# Altium PCB 75100_405_v4.0.PcbDoc (part 1 of 2)
Units mil, origin at the board's own origin, x right, y up, seen from the top; angles counter-clockwise.
Board outline 2985 x 1655 mil, 4 copper layers (Top Layer, Signal Layer 1, Signal Layer 2, Bottom Layer), stack 30.634 mil thick; 141 components, 93 nets, 422 pads, 408 vias.
Unrouted connection lines stored in the file: 2.
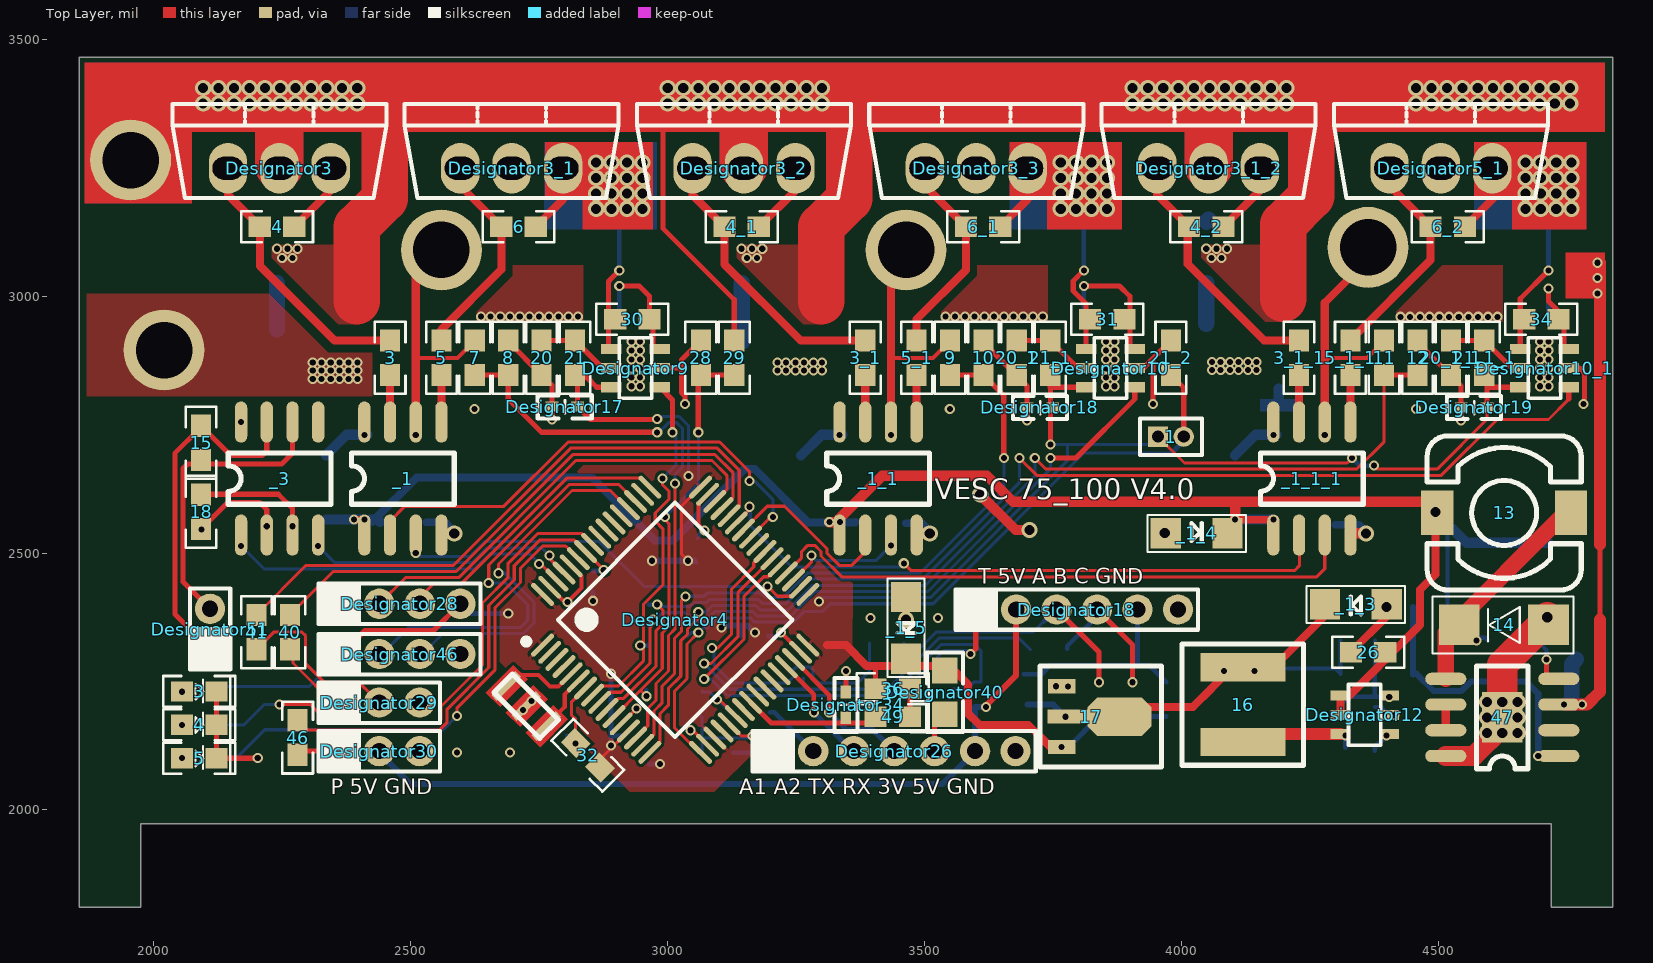
[diagram p0: Top Layer view]
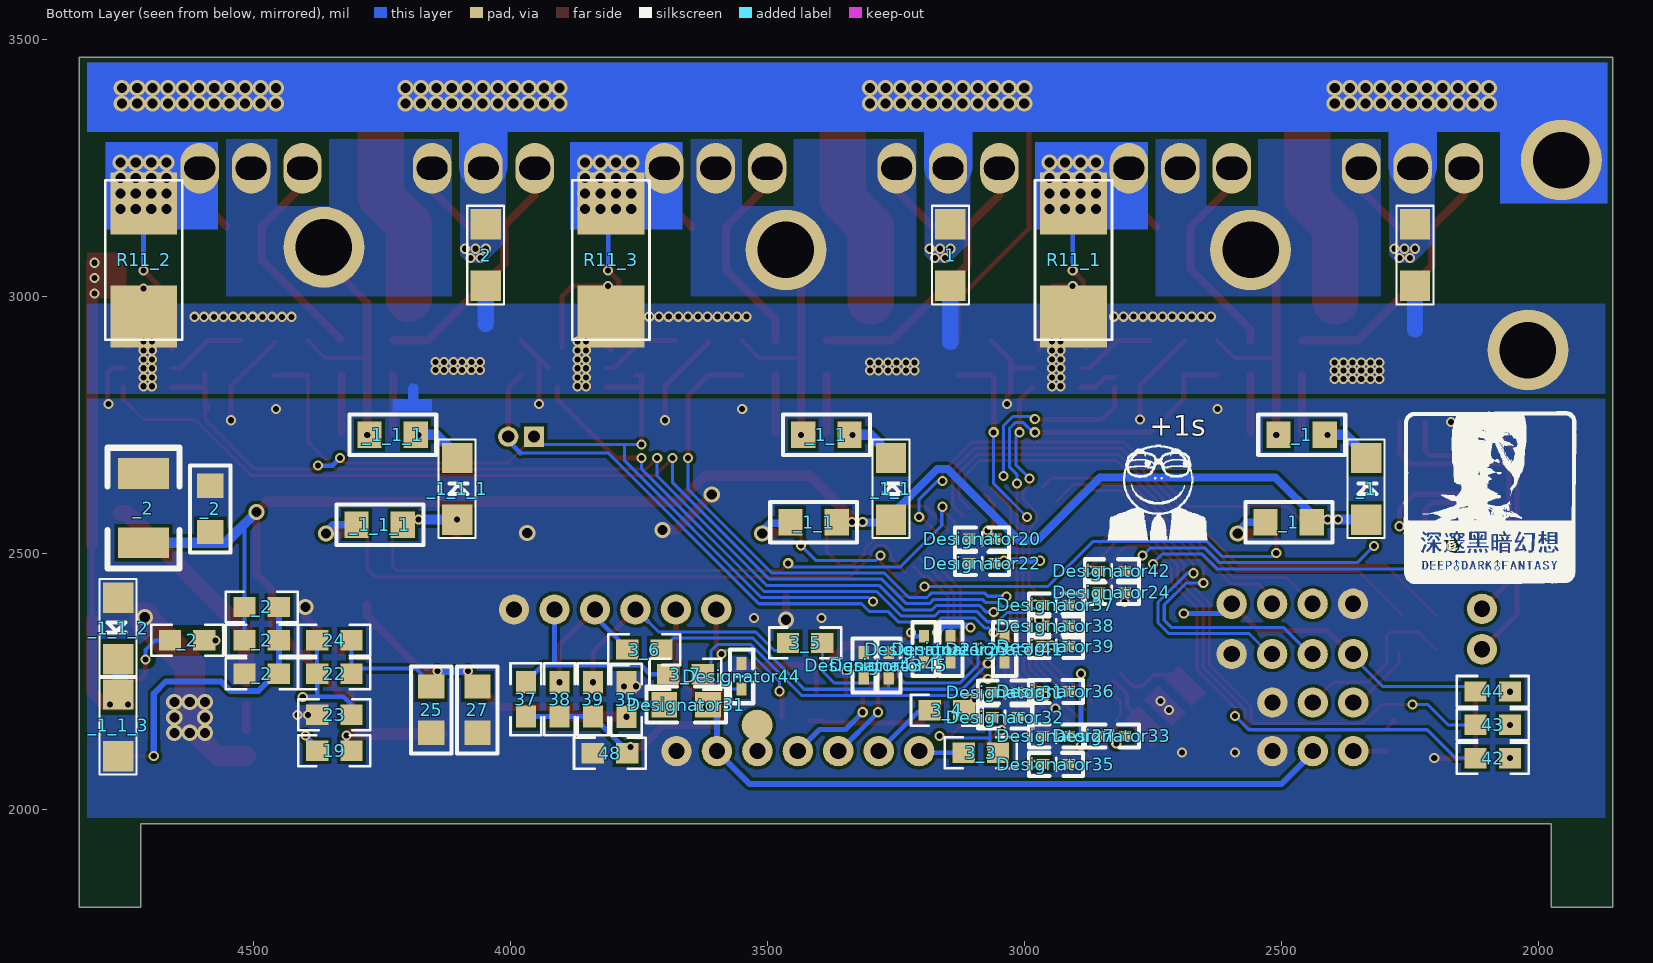
[diagram p1: Bottom Layer view, seen from below]
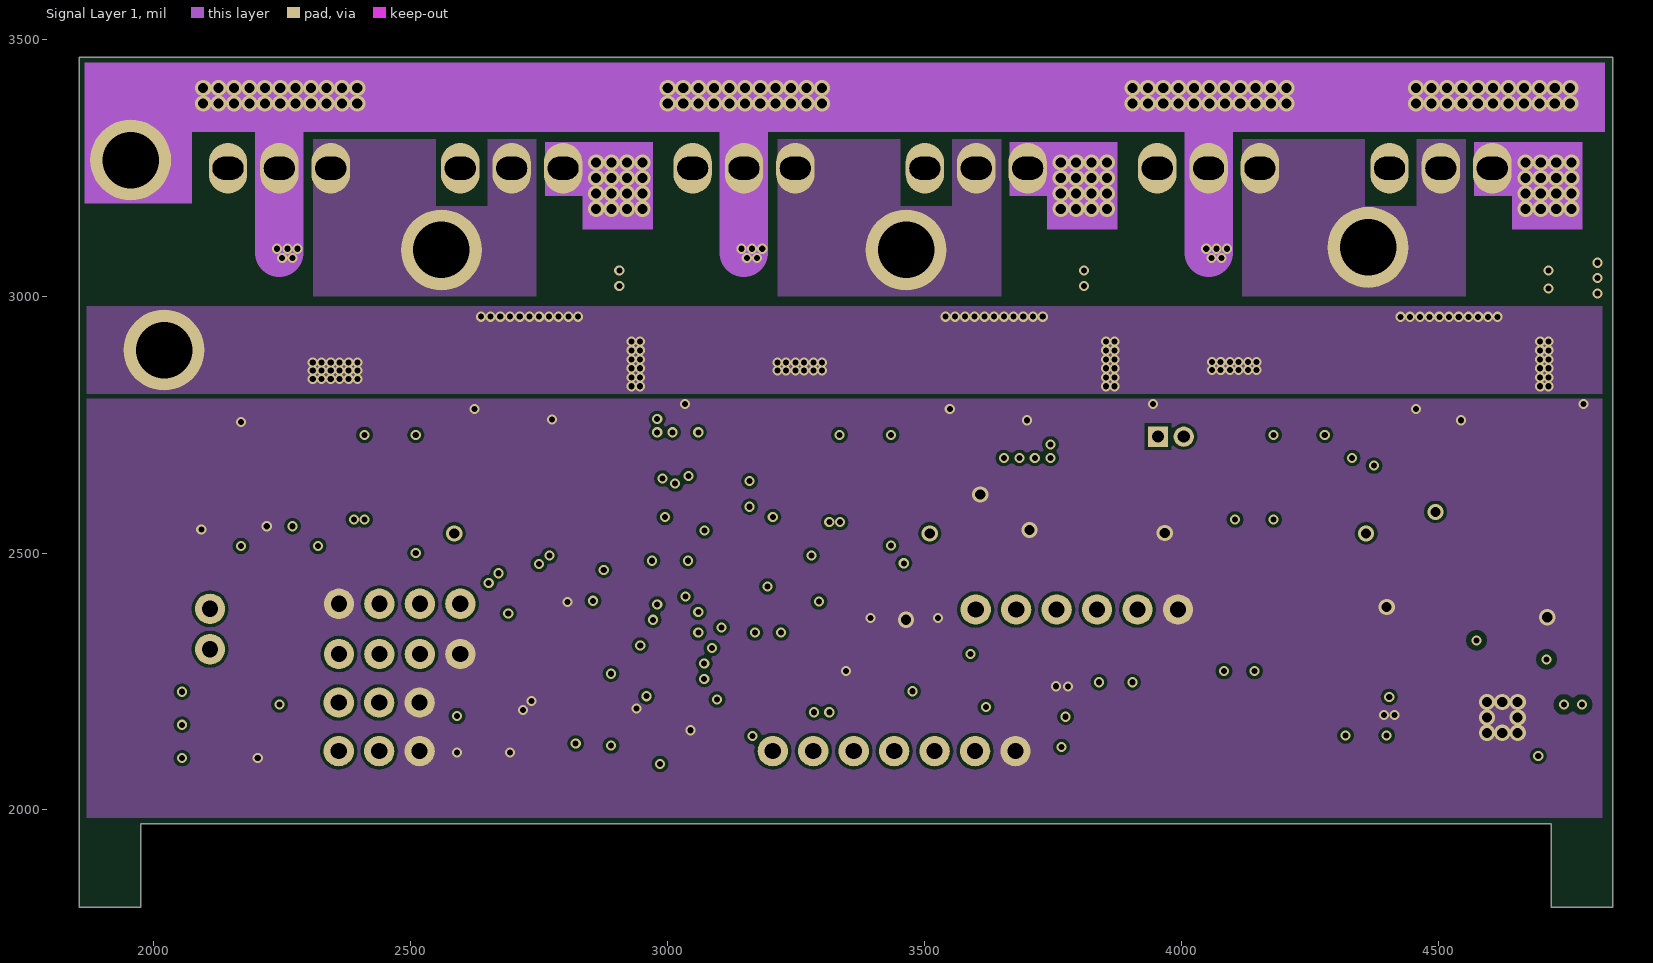
[diagram p2: Signal Layer 1]
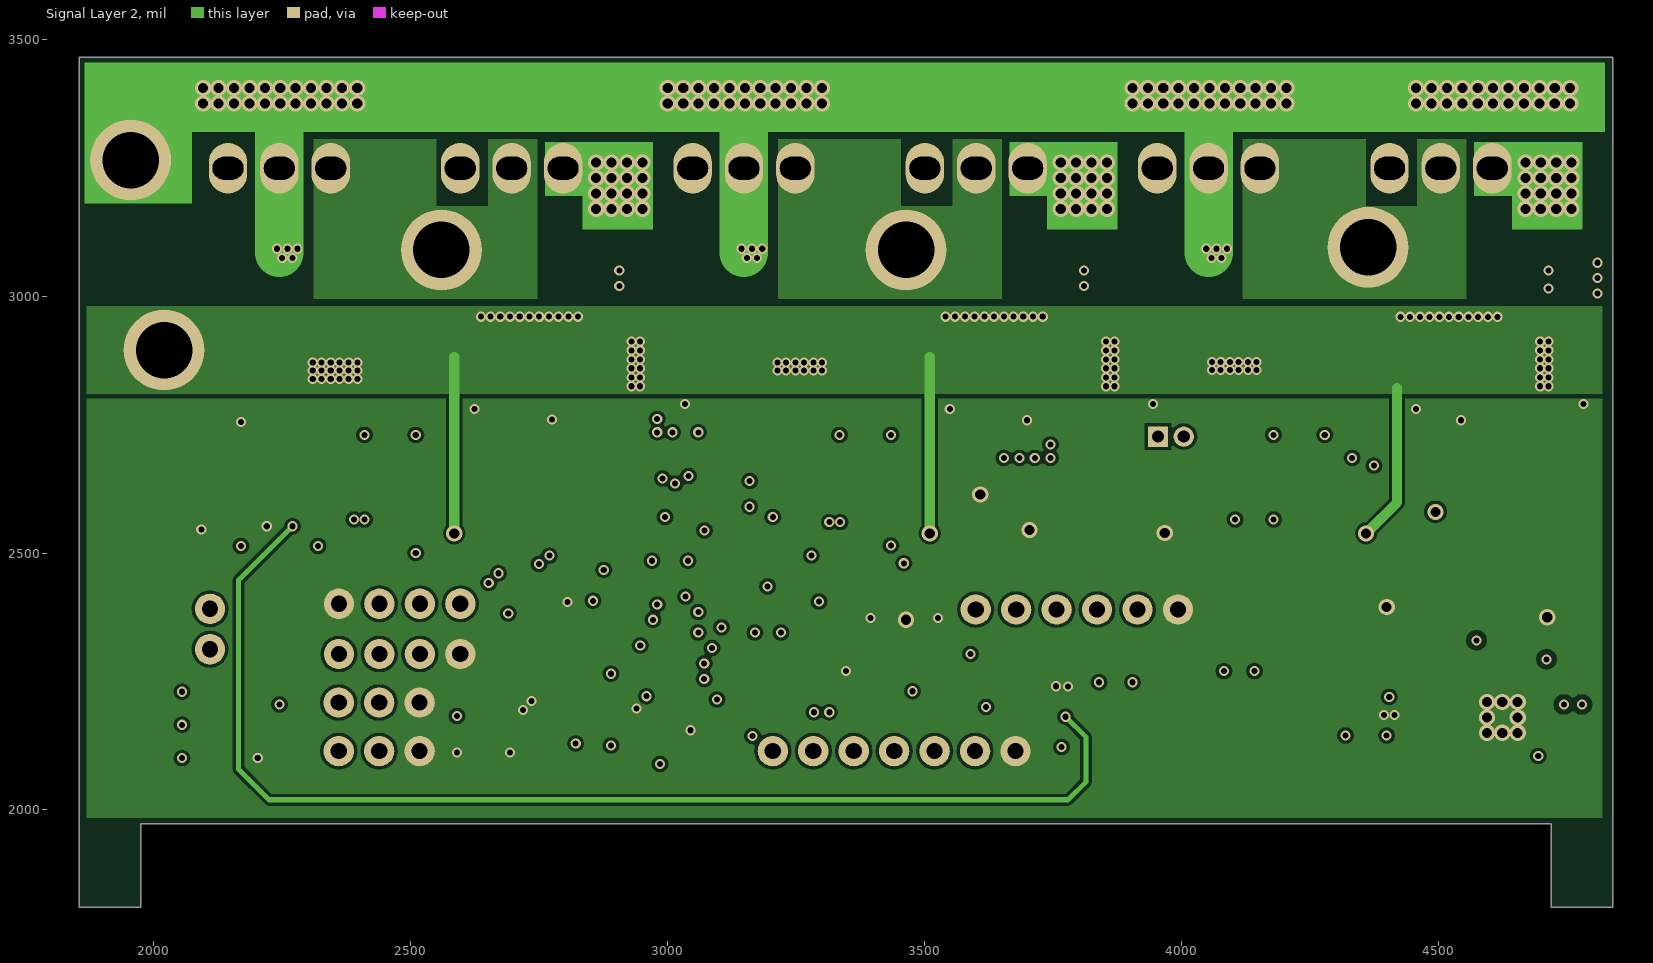
[diagram p3: Signal Layer 2]
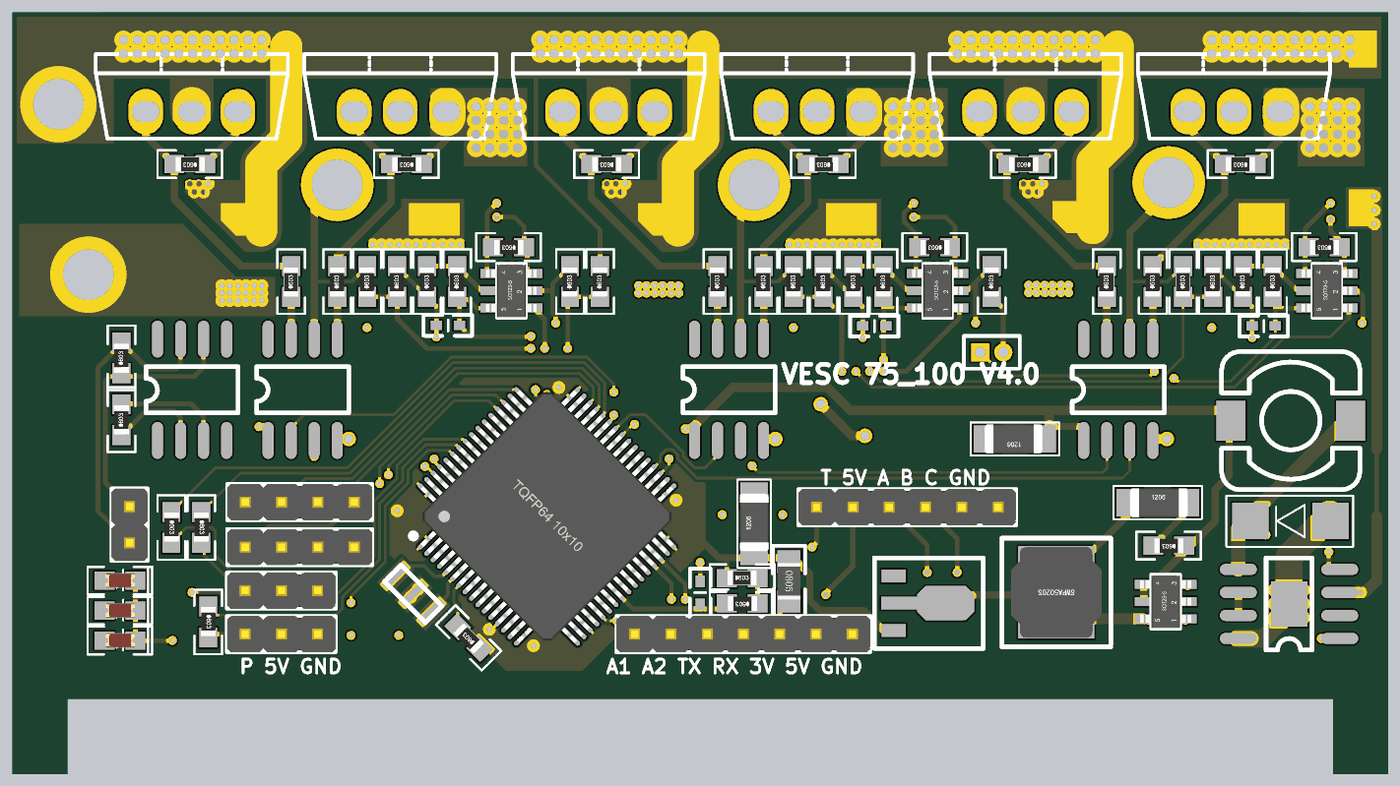
[diagram p5: 3D render of the assembled board from above, using the file's embedded part models]

## Layer stack, top to bottom
Top Solder: solder mask 0.4, Solder Resist, Dk 3.5
Top Layer: signal copper 1.4
Dielectric1: core 10, FR-4, Dk 4.2
Signal Layer 1: signal copper 1.417
Dielectric 3: prepreg 5, Dk 4.2
Signal Layer 2: signal copper 1.417
Dielectric 2: core 10, Dk 4.2
Bottom Layer: signal copper 1.4
Bottom Solder: solder mask 0.4, Solder Resist, Dk 3.5

## Board outline
1855,1810 1855,1968.46 1855,1968.5 1855,3464.57 2050,3464.57 2050,3465 4645,3465 4645,3464.57 4840,3464.57 4840,1810 4720,1810 4720,1973.46 1975,1973.46 1975,1810

## Design rules (kind name [scope] priority, off if disabled: settings)
Clearance Clearance_3 [InNet('bst1')] p1: gap=10 ignorepadtopadclearanceinfootprint=TRUE
Clearance Clearance_2 [InNet('sw1')] p2: gap=10 ignorepadtopadclearanceinfootprint=TRUE
Clearance Clearance_1 [InNet('vb')] p3: gap=10 ignorepadtopadclearanceinfootprint=TRUE
Clearance [All] p4: gap=6 ignorepadtopadclearanceinfootprint=TRUE except(0: Arc-Hole Track-Hole SMDPad-Hole THPad-Hole Via-Hole Fill-Hole Poly-Hole Region-Hole Text-Hole; 5: Arc-Text Track-Text SMDPad-Text THPad-Text Via-Text Fill-Text Poly-Text Region-Text Text-Text)
ComponentClearance [All] p1: gap=0 collisioncheckmode=3 verticalgap=100000 showdistances=FALSE
PolygonConnect PolygonConnect_1 [HasFootprint('TQFP64 10x10_L')] p1: connectstyle=Relief reliefconductorwidth=6 reliefentries=4 polygonreliefangle="90 Angle" airgapwidth=6
PolygonConnect [All vs InNetClass('All Nets')] p2: connectstyle=Direct reliefconductorwidth=10 reliefentries=4 polygonreliefangle="90 Angle" airgapwidth=10
RoutingVias [All] p1: holewidth=28 width=50 viastyle="Through Hole" minholewidth=28 minwidth=50 maxholewidth=28 maxwidth=50
SilkToSolderMaskClearance SilkscreenOverComponentPads [IsPad] p1: minsilkscreentomaskgap=10 clearancetoexposedcopper=TRUE
SolderMaskExpansion [All] p1: expansion=4
Width [All] p1: maxlimit=999 minlimit=6 preferedwidth=6 toplayer_maxwidth=984.25 bottomlayer_maxwidth=984.25 minimp=50.000000 maximp=50.000000 favimp=50.000000
28 further rules are at their usual default settings.

## Components (designator, comment, footprint, x,y, rotation, side; value= is the part's Value field where it differs from the comment)
1 "Comment" MHDR1X2 3955,2726.54 r0 top
1 "1N4148" 1206R 3144.41,3080 r180 bottom
2 "1N4148" 1206R 4048.82,3080 r180 bottom
3 "jb" 0603LED 2088.46,2230.61 r0 top
3 "jb" 0603R 2460,2880 r90 top
3_1 "jb" 0603R 3385,2880 r90 top
3_1_1 "jb" 0603R 4229.41,2880 r90 top
3_3 "jb" 0603R 3085,2111.31 r180 bottom
3_4 "jb" 0603R 3151,2194 r180 bottom
3_5 "jb" 0603R 3427.09,2325 r180 bottom
3_6 "jb" 0603R 3740,2312 r0 bottom
3_7 "jb" 0603R 3660,2264.18 r0 bottom
4 "jb" 0603LED 2088.46,2165.61 r0 top
4 "jb" 0603R 2240,3135 r180 top
4_1 "jb" 0603R 3144.41,3135 r180 top
4_2 "jb" 0603R 4048.82,3135 r180 top
5 "jb" 0603LED 2088.46,2100.61 r0 top
5 "jb" 0603R 2560,2880 r90 top
5_1 "jb" 0603R 3485,2880 r90 top
5_1_1 "jb" 0603R 4329.41,2880 r90 top
6 "jb" 0603R 2710,3135 r180 top
6_1 "jb" 0603R 3614.41,3135 r180 top
6_2 "jb" 0603R 4518.82,3135 r180 top
7 "jb" 0603R 2625,2880 r90 top
8 "jb" 0603R 2690,2880 r90 top
9 "jb" 0603R 3550,2880 r90 top
10 "jb" 0603R 3615,2880 r90 top
11 "jb" 0603R 4395,2880 r90 top
12 "jb" 0603R 4460,2880 r90 top
13 "47uH" SPRH74 4628.67,2578 r270 top (schematic designator L1)
14 "S210" 1N4001 4715,2360 r270 top (schematic designator D1)
15 "jb" 0603R 2092,2714.5 r90 top
16 "Comment" SWPA5020S 4120,2205 r90 top
17 "Comment" SOT-89 3967.2,2280.71 r270 top
18 "jb" 0603R 2092,2580 r90 top
19 "jb" 0603R 4343.46,2115 r180 bottom
20 "jb" 0603R 2755,2880 r90 top
20_1 "jb" 0603R 3680,2880 r90 top
20_1_1 "jb" 0603R 4525,2880 r90 top
21 "jb" 0603R 2820,2880 r90 top
21_1 "jb" 0603R 3745,2880 r90 top
21_1_1 "jb" 0603R 4590,2880 r90 top
21_2 "jb" 0603R 3980,2880 r90 top
22 "jb" 0603R 4343.46,2265 r180 bottom
23 "jb" 0603R 4343.46,2185 r0 bottom
24 "jb" 0603R 4343.46,2330 r180 bottom
25 "10u/25V" 0805C 4155.15,2149.26 r180 bottom (schematic designator C26)
26 "jb" 0603R 4363.82,2306.72 r180 top
27 "10u/25V" 0805C 4065.15,2149.26 r180 bottom (schematic designator C26)
28 "jb" 0603R 3065,2880 r90 top
29 "jb" 0603R 3130,2880 r90 top
30 "jb" 0603R 2931.62,2955 r180 top
31 "jb" 0603R 3856.11,2955 r180 top
32 "jb" 0603R 2845,2106.34 r135 top
34 "jb" 0603R 4701.11,2955 r180 top
35 "jb" 0603R 3775,2214.79 r90 bottom
36 "jb" 0603R 3438.46,2235.95 r0 top
37 "jb" 0603R 3970.56,2215 r90 bottom
38 "jb" 0603R 3905,2215 r90 bottom
39 "jb" 0603R 3840,2215 r90 bottom
40 "jb" 0603R 2265,2346.02 r270 top
41 "jb" 0603R 2200,2346.02 r270 top
42 "jb" 0603R 2088.46,2100.61 r0 bottom
43 "jb" 0603R 2088.46,2165.61 r0 bottom
44 "jb" 0603R 2088.46,2230.61 r0 bottom
46 "jb" 0603R 2280,2140.83 r270 top
47 "TPS5430" SO-8-PAD 4625,2180 r180 top (schematic designator TPS1)
48 "jb" 0603R 3806.97,2110.08 r0 bottom
49 "jb" 0603R 3438.46,2181.07 r180 top
_1 "IR21867" SO-8 2410,2535 r90 top (schematic designator U8)
_1 "10u/25V" 0805C 2415,2730 r90 bottom (schematic designator C27)
_1 "10u/25V" 0805C 2440,2560 r90 bottom (schematic designator C26)
_1 "1N4148" 1206R 2335,2625 r180 bottom
_1_1 "1N4148" 1206R 3260,2625 r180 bottom
_1_1 "10u/25V" 0805C 3365,2560 r90 bottom (schematic designator C26)
_1_1 "10u/25V" 0805C 3340,2730 r90 bottom (schematic designator C27)
_1_1 "IR21867" SO-8 3335,2535 r90 top (schematic designator U8)
_1_1_1 "IR21867" SO-8 4179.41,2535 r90 top (schematic designator U8)
_1_1_1 "10u/25V" 0805C 4184.41,2730 r90 bottom (schematic designator C27)
_1_1_1 "10u/25V" 0805C 4209.41,2555 r90 bottom (schematic designator C26)
_1_1_1 "1N4148" 1206R 4104.41,2625 r180 bottom
_1_1_2 "1N4148" 1206R 4764.41,2353.07 r180 bottom
_1_1_3 "1N4148" 1206R 4764.41,2164.65 r180 bottom
_1_3 "1N4148" 1206R 4340,2400 r270 top
_1_4 "1N4148" 1206R 4030,2538.24 r90 top
_1_5 "1N4148" 1206R 3464.41,2354.22 r0 top
_2 "10u/25V" 0805C 4585,2540 r180 bottom (schematic designator C26)
_2 "jb" 0603R 4485,2330 r0 bottom
_2 "jb" 0603R 4630,2330 r0 bottom
_2 "jb" 0603R 4485,2395 r180 bottom
_2 "jb" 0603R 4485,2265 r0 bottom
_2 "100u" 1210 4715,2520 r90 bottom (schematic designator C3)
_3 "IR21867" SO-8 2170,2535 r90 top (schematic designator U8)
Designator3 "Comment" TO220L 2243.46,3283.46 r0 top locked
Designator3_1 "Comment" TO220L 2695.67,3283.46 r0 top locked
Designator3_1_2 "Comment" TO220L 4052.28,3283.46 r0 top locked
Designator3_2 "Comment" TO220L 3147.87,3283.46 r0 top locked
Designator3_3 "Comment" TO220L 3600.08,3283.46 r0 top locked
Designator4 "Comment" "TQFP64 10x10_L" 3015,2370.08 r315 top
Designator5_1 "Comment" TO220L 4504.49,3283.46 r0 top locked
Designator9 "Comment" SOT23-6 2985,2822.6 r270 top
Designator10 "Comment" SOT23-6 3909.49,2822.6 r270 top
Designator10_1 "Comment" SOT23-6 4754.49,2822.6 r270 top
Designator12 "Comment" SOT23-6 4404.49,2147.6 r270 top
Designator17 "Comment" 0402L 2777.48,2787.17 r0 top
Designator18 "Comment" HDR2.0-LI-6P 3796.85,2390 r0 top
Designator18 "Comment" 0402L 3702.48,2785.63 r0 top
Designator19 "Comment" 0402L 4547.48,2785.63 r0 top
Designator20 "Comment" 0402L 3105,2530 r180 bottom
Designator21 "Comment" 0402L 3198.04,2290.31 r90 bottom
Designator22 "Comment" 0402L 3105,2482.17 r180 bottom
Designator23 "Comment" 0402L 3146.06,2290.31 r90 bottom
Designator24 "Comment" 0402L 2807.48,2420.99 r0 bottom
Designator26 "Comment" HDR2.0-LI-7P 3441.29,2114.42 r0 top
Designator27 "Comment" 0402L 2961.41,2146.04 r180 bottom
Designator28 "Comment" HDR2.0-LI-4P 2478.58,2401.16 r0 top
Designator29 "Comment" HDR2.0-LI-3P 2438.8,2208.9 r0 top
Designator30 "Comment" HDR2.0-LI-3P 2438.8,2114.42 r0 top
Designator31 "Comment" 0805 3701.1,2204.89 r180 bottom
Designator31 "Comment" 0402L 3015,2226.83 r0 bottom
Designator32 "Comment" 0402L 3015,2178.13 r0 bottom
Designator33 "Comment" 0402L 2852.52,2146.04 r180 bottom
Designator34 "Comment" 0402L 3345,2181.65 r90 top
Designator35 "Comment" 0402L 2961.49,2091.24 r180 bottom
Designator36 "Comment" 0402L 2961.41,2232.83 r180 bottom
Designator37 "Comment" 0402L 2961.49,2401.16 r180 bottom
Designator38 "Comment" 0402L 2961.41,2361.03 r180 bottom
Designator39 "Comment" 0402L 2961.41,2320.9 r180 bottom
Designator40 "Comment" 0805 3540,2271.35 r270 top
Designator41 "Comment" 0402L 3041,2290.31 r90 bottom
Designator42 "Comment" 0402L 2807.48,2462.83 r0 bottom
Designator43 "Comment" 0402L 3315,2258.82 r90 bottom
Designator44 "Comment" 0402L 3553.03,2237.48 r90 bottom
Designator45 "Comment" 0402L 3266.2,2258.82 r90 bottom
Designator46 "Comment" HDR2.0-LI-4P 2478.58,2303.32 r0 top
Designator51 "Comment" HDR2.0-LI-2P 2109.5,2352.01 r90 top
R11_1 "0.5mR" 2512 2900,2960 r180 bottom (schematic designator R11)
R11_2 "0.5mR" 2512 4710,2960 r180 bottom (schematic designator R11)
R11_3 "0.5mR" 2512 3800.35,2960 r180 bottom (schematic designator R11)
X1 "8M" CSTCE 2787.64,2175.53 r135 top
? "1N4148" 1206R 2240,3080 r180 bottom

## Footprints (in the part's own frame and the unit in brackets; to place one, negate y for a bottom-side part, rotate by r counter-clockwise, add the part's x,y. Pads: shape width x height; smd on the part's side, far side on the other; paste and mask are expansions set on the pad)
1N4001 [mil]
  rect 79x79 smd: 1(0,0) 2(0,-174)
  silkscreen extent -55,-226 56,49
0402L [mil]
  rect 25x20 smd: 1(-2.48,-2.17) 2(47.52,-2.17)
  silkscreen extent -30,-25 75,20, body extent 7,-12 40,8, height 10
0603LED [mm] "Chip Resistor; Body 1.6 x 0.8 mm (LxW typ)"
  rect 1.1x1 smd: 1(-0.85,0) 2(0.85,0)
  silkscreen extent -1.78,-0.76 1.78,0.76, body extent -0.78,-0.39 0.84,0.41, height 0.8
0603R [mm] "Chip Resistor; Body 1.6 x 0.8 mm (LxW typ)"
  rect 1.1x1 smd: 1(-0.85,0) 2(0.85,0)
  silkscreen extent -1.78,-0.76 1.78,0.76, body extent -0.82,-0.4 0.78,0.42, height 0.65
0805 [mil]
  rect 50x50 smd: 1(0,0) 2(85,0)
  silkscreen extent -35,-35 120,35, body extent 3,-25 81,25, height 22
0805C [mm]
  rect 1.3x1.2 smd: 1(0.004,0.019) 2(0.004,2.305)
  silkscreen extent -1,-1 1,3.3
1206R [mm]
  rect 1.5x1.5 smd: 1(0,1.524) 2(0,-1.524)
  silkscreen extent -0.91,-2.44 0.91,2.44, body extent -0.79,-1.53 0.81,1.67, height 1.2
1210 [mil]
  rect 60x100 smd: 1(0,0) 2(135,0)
  silkscreen extent -50,-70 185,70
2512 [mil]
  rect 130x120 smd: 1(-4.65,0.4) 2(-4.65,220.4)
  silkscreen extent -80,-45 70,265
CSTCE [mm]
  rect 0.4x1.7 smd: 1(0.2,0.65) 2(1.6,0.65) 3(3,0.65)
  silkscreen extent 0,0 3.2,1.3
HDR2.0-LI-2P [mm] "直插，脚距：2.0mm"
  round 1.5 hole 0.8: 1(-1,0) 2(1,0)
  silkscreen extent -2,-1 2,1, body extent -2,-1 2,1, height 6.5
HDR2.0-LI-3P [mm] "直插，脚距：2.0mm"
  round 1.5 hole 0.8: 1(-2,0) 2(0,0) 3(2,0)
  silkscreen extent -3,-1 3,1, body extent -3,-1 3,1, height 6.5
HDR2.0-LI-4P [mm] "直插，脚距：2.0mm"
  round 1.5 hole 0.8: 1(-3,0) 2(-1,0) 3(1,0) 4(3,0)
  silkscreen extent -4,-1 4,1, body extent -4,-1 4,1, height 6.5
HDR2.0-LI-6P [mm] "直插，脚距：2.0mm"
  round 1.5 hole 0.8: 1(-5,0) 2(-3,0) 3(-1,0) 4(1,0) 5(3,0) 6(5,0)
  silkscreen extent -6,-1 6,1, body extent -6,-1 6,1, height 6.5
HDR2.0-LI-7P [mm] "直插，脚距：2.0mm"
  round 1.5 hole 0.8: 1(-6,0) 2(-4,0) 3(-2,0) 4(0,0) 5(2,0) 6(4,0) 7(6,0)
  silkscreen extent -7,-1 7,1, body extent -7,-1 7,1, height 6.5
MHDR1X2 [mm] "Connector; Header; 2 Position"
  rect 1x1 hole 0.6: 1(0,0)
  round 1 hole 0.6: 2(1.27,0)
  silkscreen extent -0.9,-0.9 2.17,0.9
SO-8 [mil]
  oval 80x24 smd: 1(0,0) 2(0,-50) 3(0,-100) 4(0,-150) 5(220,-150) 6(220,-100) 7(220,-50) 8(220,0)
  silkscreen extent 60,-175 160,25
SO-8-PAD [mil]
  oval 80x24 smd: 1(-110,75) 2(-110,25) 3(-110,-25) 4(-110,-75) 5(110,-75) 6(110,-25) 7(110,25) 8(110,75)
  rect 78.74x98.43 smd: 9(0,0)
  silkscreen extent -50,-100 50,100
SOT23-6 [mm]
  rect 0.5x1 smd: 1(0,0) 2(-0.95,0) 3(-1.9,0) 4(-1.9,-2.4) 5(-0.95,-2.4) 6(0,-2.4)
  silkscreen extent -2.45,-2 0.55,-0.4, body extent -2.4,-2.6 0.5,0.2, height 1.09
SOT-89 [mm]
  rect 0.7x1.35 smd: 1(1.016,-5.08) 3(4.016,-5.08)
  oct 1.9x3.15 smd: 2(2.516,-2.215)
  rect 0.7x1.99 smd: 2(2.516,-4.785)
  silkscreen extent 0.02,-6.15 5.02,-0.15
SPRH74 [mm]
  rect 2.2x1.6 smd: 1(0,3.302) 2(0,-3.302)
  silkscreen extent -3.81,-3.81 3.81,3.81
SWPA5020S [mm] "轮廓5mm*5mm ，焊盘间距2.3mm        淘宝ID:黄晶宝石"
  rect 1.4x4.2 smd: 1(-1.85,0) 2(1.85,0)
  silkscreen extent -3,-3 3,3, body extent -2.5,-2.5 2.5,2.5, height 2
TO220L [mm]
  oval 1.9x2.5 hole 1.143 slot 1.524 at 0 deg: 1(-2.514,-0.876) 2(0.026,-0.876) 3(2.566,-0.876)
  silkscreen extent -5.27,-2.36 5.32,2.3
"TQFP64 10x10_L" [mm] "64脚，体宽：10x10mm, 脚距：0.5mm"
  oval 0.25x1.5 smd: 1(-3.75,-5.523) 2(-3.25,-5.523) 3(-2.75,-5.523) 4(-2.25,-5.523) 5(-1.75,-5.523) 6(-1.25,-5.523) 7(-0.75,-5.523) 8(-0.25,-5.523) 9(0.25,-5.523) 10(0.75,-5.523) 11(1.25,-5.523) 12(1.75,-5.523) 13(2.25,-5.523) 14(2.75,-5.523) 15(3.25,-5.523) 16(3.75,-5.523) 33(3.75,5.523) 34(3.25,5.523) 35(2.75,5.523) 36(2.25,5.523) 37(1.75,5.523) 38(1.25,5.523) 39(0.75,5.523) 40(0.25,5.523) 41(-0.25,5.523) 42(-0.75,5.523) 43(-1.25,5.523) 44(-1.75,5.523) 45(-2.25,5.523) 46(-2.75,5.523) 47(-3.25,5.523) 48(-3.75,5.523)
  oval 1.5x0.25 smd: 17(5.523,-3.75) 18(5.523,-3.25) 19(5.523,-2.75) 20(5.523,-2.25) 21(5.523,-1.75) 22(5.523,-1.25) 23(5.523,-0.75) 24(5.523,-0.25) 25(5.523,0.25) 26(5.523,0.75) 27(5.523,1.25) 28(5.523,1.75) 29(5.523,2.25) 30(5.523,2.75) 31(5.523,3.25) 32(5.523,3.75) 49(-5.523,3.75) 50(-5.523,3.25) 51(-5.523,2.75) 52(-5.523,2.25) 53(-5.523,1.75) 54(-5.523,1.25) 55(-5.523,0.75) 56(-5.523,0.25) 57(-5.523,-0.25) 58(-5.523,-0.75) 59(-5.523,-1.25) 60(-5.523,-1.75) 61(-5.523,-2.25) 62(-5.523,-2.75) 63(-5.523,-3.25) 64(-5.523,-3.75)
  silkscreen extent -4.57,-6.09 4.1,4.1, body extent -6,-6 6.01,6, height 1.05

## Part data
13: library part Inductor, "Inductor"
14: library part "Diode 1N4005", "1 Amp General Purpose Rectifier"
25 27 _1 _1_1 _1_1_1 _2: library part C0805-1uF/25V, "X5R,20%"
_1 _1_1 _1_1_1 _3: library part IR2301S
_1 _1_1 _1_1_1: library part Cap, "Capacitor"
_2: library part "Cap Pol3", "Polarized Capacitor (Surface Mount)"
R11_1 R11_2 R11_3: library part Res2, "Resistor"

## Free pads (board coordinates)
  round 157.48 hole 110: 0(1955,3265) 0(2020,2895) 0(2560,3090) 0(3464.41,3090) 0(4363.82,3095)
  round 157.48 on Mid2: 0(1955,3265)
  round 60 smd far side: 2(3520.58,2165)

## Via types
v1: diameter 19.68, hole 11.81, Top Layer to Bottom Layer, 254 vias
v2: diameter 31.5, hole 19.68, Top Layer to Bottom Layer, 154 vias

## Nets (pads, with @x,y where several pads share a name; then routed paths per layer and width w, separated by ;. In a path a pad name is that pad's centre, name@x,y a point inside that pad or via, vN(x,y) a via of type N, cw(c..) or ccw(c..) an arc to the next point about the centre after c; other vN are vias at no path point)
1.65v: 20.2 20_1.2 20_1_1.2 21.2 21_1.2 21_1_1.2 Designator9.5 Designator10.5 Designator10_1.5 | length 471.9
  Top Layer w7.87: Designator9.5@2873.46,2860 Designator9.5@2890.51,2860 ; Designator10.5@3798.46,2860 Designator10.5@3815,2860 ; Designator10_1.5@4643.46,2860 Designator10_1.5@4660,2860
  Top Layer w10: 20.2@2755,2913.46 21.2@2820,2913.46 Designator9.5@2873.46,2860 ; 20_1.2@3680,2913.46 21_1.2@3745,2913.46 Designator10.5@3798.46,2860 ; 20_1_1.2@4525,2913.46 21_1_1.2@4590,2913.46 Designator10_1.5@4643.46,2860
3v3: 1.1@3955,2726.54 17.3 21.1 21_1.1 21_1_1.1 32.1 36.1 37.1 38.1 39.1 44.2 48.1 _1_5.2 Designator4.1 Designator4.13 Designator4.19 Designator4.32 Designator4.48 Designator4.64 Designator9.6 Designator10.6 Designator10_1.6 Designator17.2 Designator18.2@3750,2783.46 Designator19.2 Designator22.2 Designator23.2 Designator24.2 Designator27.2 Designator28.4 Designator35.1 Designator40.1 Designator46.1 | length 4518.5
  Top Layer w6: 21.1@2820,2846.54 21.1@2825,2841.54 ; 32.1@2868.66,2091.34 2868.66,2098.39 Designator4.13@2923.88,2153.61 ; v1(3040,2485) 3027,2498 3027,2590.79 Designator4.48@3064.36,2628.15 ; 1.1@3955,2726.54 4006.38,2675.16 4322.99,2675.16 v1(4332.83,2685) ; v1(4375,2670) 4381.84,2663.16 4498.16,2663.16 4595,2760 Designator19.2@4595,2783.46 4588.27,2790.2 4588.27,2783.47 Designator19.2@4588.27,2776.73
  Top Layer w7.87: 21_1.1@3745,2846.54 21_1.1@3758.46,2846.54
  Top Layer w10: Designator46.1@2360.47,2298.32 2411.41,2349.25 2544.79,2349.25 Designator28.4@2596.69,2401.16 ; 2825,2822.6 Designator17.2@2825,2785 2850,2760 v1@2980,2760 ; 21.1@2825,2841.54 2843.46,2841.54 2862.4,2822.6 Designator9.6@2890.51,2822.6 ; 36.1@3405,2230.95 36.1@3405,2235.95 3405,2280.34 ; 21_1.1@3745,2846.54 3745,2822.6 ; v1@3745.31,2710 v1(3745.31,2711) 3745.31,2822.28 3745,2822.6 ; Designator10.6@3815,2822.6 3745,2822.6 ; Designator19.2@4595,2783.46 4595,2822.6 ; 21_1_1.1@4595,2850 4595,2822.6 ; Designator10_1.6@4660,2822.6 4595,2822.6
  Top Layer w15.75: 3310.64,2320.64 3347.17,2320.64 3387.46,2280.34 3405,2280.34 3549.07,2280.34 3573.91,2255.5 3585,2244.41 3585,2187.79 3607.18,2165.61 3702.3,2165.61 3745.31,2122.6 v1(3767.2,2122.6)
  Bottom Layer w6: 44.2@2121.93,2230.61 2131.26,2239.93 2302.09,2239.93 Designator46.1@2360.47,2298.32 ; v1@2980,2760 2985.84,2765.84 3022.78,2765.84 3040.84,2747.78 v1(3040.84,2650) ; Designator22.2@3052.48,2485 Designator22.2@3057.48,2480 ; v1(3295,2405.33) 3302.83,2413.16 3512.1,2413.16 3778.46,2679.52 3778.46,2711 ; v1(3745.31,2711) 3778.46,2711 ; 1.1@3940.68,2711 3778.46,2711
  Bottom Layer w9: v1(2855,2407) Designator24.2@2855,2423.15 ; 2890,2145 2891.12,2143.88 Designator27.2@2913.89,2143.88 ; Designator35.1@2963.93,2089.32 v1(2985.61,2089.32) ; Designator23.2@3143.9,2337.83 3143.9,2357.83 3145,2358.94 ; v1(4332.83,2685) 4347.83,2670 v1(4375,2670)
  Bottom Layer w10: Designator28.4@2596.69,2401.16 2615.5,2382.35 v1(2690,2382.35) ; v1(2890,2125) 2890,2145 v1(2890,2265) ; v1(3767.2,2122.6) 3781.06,2122.6 39.1@3840,2181.54 38.1@3905,2181.54 37.1@3970.56,2181.54
  Bottom Layer w11.81: v1(2970,2485) v1(3040,2485) Designator22.2@3052.48,2485 ; v1(3105,2355) 3108.94,2358.94 3145,2358.94 3155.45,2358.94 v1@3169.7,2344.7
  other v1: 3170,2345 2980,2761
3v3out: Designator26.5 Designator40.2 pad.2 | length 78.1
  Top Layer w6: Designator40.2@3520.03,2171.38 Designator40.2@3535,2186.35
  Top Layer w10: Designator26.5@3520.03,2114.42 Designator40.2@3520.03,2171.38
5v: 16.2 17.2 18.2 22.2 24.2 25.2 27.2 35.1 _1_3.2 _3.3 Designator31.1@3701.1,2204.89 | length 3541.8
  Top Layer w6: 17.2@3879.03,2182.63 17.2@3880,2181.65
  Top Layer w10: 18.2@2092,2613.46 2093.04,2614.5 2242.5,2614.5 2270,2587 v1(2270,2552.05)
  Top Layer w15: 4060,2237.4 16.2@4087.82,2265.23 ; v1(4083.05,2270) v1(4142.51,2270) 4172.44,2270 4280,2377.56 _1_3.2@4280,2400
  Top Layer w15.75: 17.2@3875,2200 4022.6,2200 4060,2237.4
  Top Layer w20: v1(3775,2181.33) 3877.73,2181.33 17.2@3879.03,2182.63
  Signal Layer 2 w10: v1(2270,2552.05) 2165,2447.05 2165,2079.12 2224.48,2019.64 3779.83,2019.64 3815,2054.81 3815,2141.33 v1(3775,2181.33)
  Bottom Layer w7.87: 25.2@4170,2260 4185,2275 4300,2275 22.2@4310,2265 24.2@4310,2330
  Bottom Layer w12: Designator31.1@3701.1,2204.89 3701.21,2205 3751.33,2205 v1(3775,2181.33)
  Bottom Layer w15: v1(4083.05,2270) v1(4142.51,2270)
5vout: Designator18.2@3678.74,2390 Designator26.6 Designator30.2 Designator31.2@3616.1,2204.89 | length 1535.3
  Top Layer w12: v1@3620,2203.13 3678.74,2261.87 Designator18.2@3678.74,2390
  Bottom Layer w12: Designator30.2@2435,2115 2499.89,2050.11 3534.46,2050.11 Designator26.6@3598.77,2114.42 3598.77,2199.93 3598.84,2200 v1(3620,2200)
12v: 13.2 26.1 _1.1@2410,2535 _1.1@2440.74,2560.15 _1.2@2335,2565 _1_1.1@3335,2535 _1_1.1@3365.74,2560.15 _1_1.2@3260,2565 _1_1_1.1@4179.41,2535 _1_1_1.1@4210.15,2555.15 _1_1_1.2@4104.41,2565 _1_4.2 _2.1@4518.46,2395 _2.1@4584.85,2540.74 _2.1@4715,2520 _2.2@4518.46,2330 Designator12.4 Designator12.5 | length 3704.1
  Top Layer w6: _1_4.2@4090,2538.24 _1_4.2@4105,2538.24
  Top Layer w15: v1(2390,2565) v1(2410,2565) ; _1_4.2@4105,2560 4110,2565 v1(4180,2565)
  Top Layer w15.75: Designator12.5@4310,2185 Designator12.4@4310,2222.4 4327.4,2222.4 4375.25,2270.25 26.1@4397.28,2292.28 ; 26.1@4397.28,2306.72 26.1@4397.28,2292.28 ; 13.2@4475,2600 v2(4495,2580) 4495,2458.57 4465,2428.57 4465,2360 26.1@4397.28,2292.28
  Top Layer w20: v1(3315,2560) 3327.51,2560 3418.1,2650.6 3621.97,2650.6 3672.56,2600 4105,2600 ; _1_4.2@4105,2538.24 4105,2560 v1(4105,2565) 4105,2600 ; 13.2@4475,2600 4105,2600
  Bottom Layer w7.87: _2.2@4518.46,2330 _2.1@4518.46,2395 4518.46,2553.46
  Bottom Layer w15.75: v1(2410,2565) 2420,2565 2425,2560 2430,2565 2512.01,2647.01 2853.38,2647.01 2975.95,2524.44 3010.86,2524.44 3150.14,2663.72 3169.82,2663.72 3273.79,2559.75 3335.75,2559.75 3365.34,2559.75 _1_1.1@3365.74,2560.15
  Bottom Layer w19.68: _1.2@2335,2565 v1(2390,2565) v1(2410,2565) ; _1.1@2420,2565 2430,2565 2435.89,2565 _1.1@2440.74,2560.15 ; _1_1_1.2@4104.41,2565 v1(4105,2565) v1(4180,2565) ; v2(4495,2580) 4555,2520 _2.1@4715,2520
  other v1: 3335.75,2560
ad1: 3_3.1 Designator26.1 | length 77.9
  Bottom Layer w9: 3_3.1@3128.46,2111.31 3201.97,2111.31 Designator26.1@3205.07,2114.42
ad2: 3_4.1 Designator26.2 | length 115.6
  Bottom Layer w9: 3_4.1@3199.47,2190 3208.23,2190 Designator26.2@3283.81,2114.42
adc1: 3_3.2 Designator4.21 Designator32.2 | length 231.9
  Top Layer w6: Designator4.21@3120.04,2167.53 3144.02,2143.55 v1(3165.63,2143.55)
  Bottom Layer w6: Designator32.2@3063.5,2183.82 3066.89,2180.42 3066.89,2140 ; 3_3.2@3066.89,2116.67 3066.89,2140 ; v1(3165.63,2143.55) 3162.08,2140 3066.89,2140
  Bottom Layer w9: 3_3.2@3061.54,2111.31 3_3.2@3066.89,2116.67
adc2: 3_4.2 Designator4.22 Designator31.2@3062.52,2229 | length 121.6
  Top Layer w6: v1@3098.31,2217.09 Designator4.22@3133.96,2181.45
  Bottom Layer w6: Designator31.2@3068.7,2229.78 3081.45,2229.78 v1(3096.23,2215) 3_4.2@3122.54,2188.68
  Bottom Layer w9: Designator31.2@3068.48,2230 Designator31.2@3068.7,2229.78
anin: 28.1 29.1 Designator4.11 Designator36.1 | length 829.4
  Top Layer w6: Designator4.11@2896.04,2181.45 2896.08,2181.49 2947.33,2232.74 ; v1(2958.82,2221.25) 2947.33,2232.74 ; v1@2995,2565 3003,2557 3003,2357.46 2989.82,2344.28 2989.82,2275.23 2947.33,2232.74 ; 28.1@3060,2841.54 28.1@3065,2846.54
  Top Layer w10: v1(3060,2735) 28.1@3060,2841.54 ; 28.1@3065,2846.54 29.1@3130,2846.54
  Bottom Layer w6: v1(2995,2570) 3060,2635 v1(3060,2735)
  Bottom Layer w9: v1(2958.82,2221.25) Designator36.1@2958.82,2232.69
bst1: 47.4 _2.2@4663.46,2330 | length 130.2
  Top Layer w6: 47.4@4720,2255 47.4@4735,2255
  Top Layer w10: v1(4711.15,2293.07) 4711.15,2263.85 47.4@4720,2255
  Bottom Layer w7.87: _2.2@4663.46,2330 4692.14,2330 4711.15,2310.99 v1(4711.15,2293.07)
bst2: 19.1 Designator12.1 | length 39.6
  Bottom Layer w9: 19.1@4376.93,2115 19.1@4376.93,2121.93
  Bottom Layer w10: 19.1@4376.93,2121.93 v1(4400,2145)
C1: Designator4.8 Designator9.1 Designator39.1 | length 734.5
  Top Layer w6: Designator4.8@2854.29,2223.21 2872.11,2241.03 2904.71,2241.03 2953.08,2289.39 2953.08,2399.73 2991,2437.65 2991,2547.35 2976.16,2562.2 2976.16,2577.8 3003,2604.65 3003,2620.35 2990,2633.35 v1(2990,2645)
  Top Layer w10: Designator9.1@2985,2822.6 3010,2797.6 v1(3010,2735)
  Bottom Layer w6: v1(2990,2645) 3016.84,2671.84 3016.84,2728.16 v1(3010,2735)
  Bottom Layer w9: Designator39.1@2951.98,2320 2962.62,2320 Designator39.1@2963.89,2318.74
  other v1: 2946.98,2320
C2: Designator4.9 Designator10.1 Designator38.1 | length 1414.6
  Top Layer w6: Designator4.9@2869.29,2209.29 2868.21,2209.29 2887.95,2229.03 2909.68,2229.03 2965.82,2285.17 2965.82,2354.22 2971.92,2360.32 v1(2971.92,2370) v1@2976.76,2365.16
  Top Layer w10: v1(3745.31,2685) 3795,2685 3909.49,2799.49 Designator10.1@3909.49,2822.6
  Bottom Layer w6: Designator38.1@2971.92,2366.16 2972.8,2366.16 2990.8,2384.16 3034.2,2384.16 3052.2,2366.16 3072.54,2366.16 3092.22,2385.84 3166.6,2385.84 3175.05,2377.39 3240.14,2377.39 3287.9,2425.16 3507.13,2425.16 3745.31,2663.34 v1(3745.31,2685)
  Bottom Layer w9: Designator38.1@2963.89,2357.83 Designator38.1@2963.89,2358.86 2963.89,2361.97 v1(2971.92,2370)
C3: Designator4.10 Designator10_1.1 Designator37.1 | length 2306.5
  Top Layer w6: Designator4.10@2882.13,2195.44 2903.79,2217.03 2914.65,2217.03 2977.82,2280.2 2977.82,2349.25 2991,2362.43 2991,2389 v1(2980,2400) ; v1(3685,2685) 3718.84,2651.16 4506.16,2651.16 4615,2760 4715,2760 4754.49,2799.49
  Top Layer w10: 4754.49,2799.49 Designator10_1.1@4754.49,2822.6
  Bottom Layer w6: v1(2980,2400) 2983.84,2396.16 3044.51,2396.16 3052.2,2403.84 3076.28,2403.84 3082.28,2409.84 3176.54,2409.84 3184.99,2401.39 3230.2,2401.39 3277.96,2449.16 3497.19,2449.16 3685,2636.97 v1(3685,2685)
  Bottom Layer w9: Designator37.1@2963.97,2398.99 2978.99,2398.99 v1(2980,2400)
can_rx: _3.4 Designator4.61 | length 532.3
  Top Layer w6: v1@2770,2499.8 v1(2770,2494.8) 2770,2489.8 Designator4.61@2798.61,2461.19
  Bottom Layer w6: v1(2320,2513.64) 2352.49,2481.16 2619.9,2481.16 2648.86,2510.12 2754.68,2510.12 v1(2770,2494.8)
can_tx: _3.1 Designator4.62 | length 665.6
  Top Layer w6: v1@2750.98,2480.98 Designator4.62@2784.69,2447.27
  Bottom Layer w6: v1(2170,2513.64) 2214.49,2469.16 2624.87,2469.16 2653.83,2498.12 2731.88,2498.12 v1@2750,2480
  other v1: 2750,2478.5
CANH: 15.2 _3.7 Designator51.1 | length 699.3
  Top Layer w10: 15.2@2092,2747.96 15.2@2098.96,2741 ; Designator51.1@2109.5,2312.64 2041,2381.14 2041,2694 2088,2741 15.2@2098.96,2741 ; _3.7@2220,2755 2220,2699 2210.5,2689.5 2150.46,2689.5 15.2@2098.96,2741
CANL: 15.1 _3.6 Designator51.2 | length 580.7
  Top Layer w10: Designator51.2@2109.5,2391.38 2057,2443.88 2057,2664.35 2066.15,2673.5 2249,2673.5 2270,2694.5 _3.6@2270,2755
CU: _1.1@2335,2685 _1.1@2415.74,2730.15 _1.8 | length 97.4
  Bottom Layer w19.68: _1.1@2335,2690 2375.15,2730.15 _1.1@2415.74,2730.15
  other v1: 2410,2730
CV: _1_1.1@3260,2685 _1_1.1@3340.74,2730.15 _1_1.8 | length 97.4
  Bottom Layer w19.68: _1_1.1@3260,2690 3300.15,2730.15 _1_1.1@3340.74,2730.15
  other v1: 3335,2730
CW: _1_1_1.1@4104.41,2685 _1_1_1.1@4185.15,2730.15 _1_1_1.8 | length 97.4
  Bottom Layer w19.68: _1_1_1.1@4104.41,2690 4144.56,2730.15 _1_1_1.1@4185.15,2730.15
  other v1: 4179.41,2730
d+: 40.2 Designator29.1 | length 146.8
  Top Layer w6: 40.2@2270.99,2306.57 2270.99,2285.78 2353.96,2202.8 Designator29.1@2360.06,2208.9
d-: 41.2 Designator29.2 | length 335
  Top Layer w6: 41.2@2200,2312.56 2233.46,2346.02 2288.43,2346.02 2295.69,2338.77 2295.69,2284.56 2331.79,2248.46 2399.27,2248.46 Designator29.2@2423.84,2223.9
  Top Layer w10: Designator29.2@2423.84,2223.9 Designator29.2@2438.8,2223.9
dm: 41.1 Designator4.44 | length 1188.8
  Top Layer w6: 41.1@2200,2379.48 2296.46,2475.94 2583.53,2475.94 2811.75,2704.16 3096.58,2704.16 3139.78,2660.96 3139.78,2592.21 Designator4.44@3120.04,2572.55
dp: 40.1 Designator4.45 | length 1085.8
  Top Layer w6: 40.1@2265,2379.48 2349.46,2463.94 2588.5,2463.94 2816.72,2692.16 3091.61,2692.16 3127.78,2655.99 3127.78,2608.05 Designator4.45@3106.12,2586.39
en: 47.6 47.7 | length 50
  Top Layer w15.75: 47.7@4515,2155 47.6@4515,2205
fb: 47.1 _2.1@4451.54,2265 _2.1@4451.54,2330 _2.2@4451.54,2395 | length 560.1
  Top Layer w6: v1(4695,2105) 47.1@4735,2105
  Bottom Layer w11.81: _2.1@4451.54,2263.41 _2.1@4451.54,2265 _2.1@4451.54,2328.41 ; _2.1@4451.54,2330 _2.2@4451.54,2395 ; _2.1@4457.64,2265 4491.1,2231.54 4545.83,2231.54 4564.37,2250.08 4671.22,2250.08 4695,2226.3 v1(4695,2105)
fb2: 22.1 23.1 24.1 Designator12.3 | length 232.1
  Bottom Layer w7.87: 22.1@4376.93,2265 24.1@4376.93,2330
  Bottom Layer w9: 23.1@4310,2185 4310,2204.4 4325.6,2220 4380,2220 ; 22.1@4376.93,2265 4376.93,2223.07 4380,2220 ; v1(4405,2220) 4380,2220
GND: 3.2@2121.93,2230.61 4.2@2121.93,2165.61 5.2@2121.93,2100.61 8.2 10.2 12.2 14.1 17.1 18.1 20.1 20_1.1 20_1_1.1 21_2.2 23.2 25.1 26.2 27.1 28.2 35.2 47.8 47.9 48.2 _1_1_2.1 _1_1_3.2 _1_3.1 _1_4.1 _1_5.1 _2.2@4518.46,2265 _2.2@4584.85,2630.74 _2.2@4715,2655 _3.2 _3.8 Designator4.12 Designator4.18 Designator4.60 Designator4.63 Designator9.2 Designator10.2 Designator10_1.2 Designator12.2 Designator17.1 Designator18.1@3700,2783.46 Designator18.6 Designator19.1 Designator20.1 Designator21.1 Designator22.1 Designator23.1 Designator24.1 Designator26.7 Designator27.1 Designator28.1 Designator29.3 Designator30.3 Designator31.1@3012.52,2229 Designator32.1 Designator33.1 Designator34.2 Designator35.2 Designator36.2 Designator37.2 Designator38.2 Designator39.2 Designator41.1 Designator42.1 Designator43.2 Designator44.2 Designator45.2 Designator46.4 X1.2 | length 2415
  Top Layer w6: Designator4.12@2909.96,2167.53 v1(2940,2197.56) ; v1@3045,2159.05 3047.02,2157.02 Designator4.18@3078.28,2125.85 ; Designator34.2@3347.17,2224.23 Designator34.2@3347.17,2229.17 ; _1_3.1@4400,2376.37 v2(4400,2395)
  Top Layer w7.87: Designator4.63@2770.77,2433.28 2799.2,2404.85 v1(2805,2404.85) 2805.49,2404.85 2832.74,2432.1 2832.74,2454.82 Designator4.60@2812.53,2475.04 ; 17.1@3752,2236.54 v1(3756.17,2240.71) 17.1@3756.88,2240 ; v1(3780,2240) 17.1@3758.3,2240 ; 17.1@3756.88,2240 3757.59,2240.71 17.1@3758.3,2240 ; 17.1@3756.88,2240 17.1@3758.3,2240
  Top Layer w10: 18.1@2092,2546.54 2143.96,2598.5 2206,2598.5 2220,2584.5 v1(2220,2552.05) ; 3.2@2121.93,2230.61 4.2@2121.93,2165.61 5.2@2121.93,2100.61 v1(2202.36,2100.61) ; 8.2@2689.04,2912.5 20.1@2755,2846.54 2775,2826.54 Designator17.1@2775,2785 v1(2775,2760) ; Designator9.2@2985,2860 3027,2860 ; v1(3033.83,2790) 3033.83,2805.34 3027,2812.18 3027,2860 ; 28.2@3065,2913.46 3027,2875.46 3027,2860 ; Designator34.2@3347.17,2229.17 v1(3347.17,2270) ; 10.2@3614.04,2910.96 3700,2825 Designator18.1@3700,2783.46 v1(3700,2758.46) ; Designator10.2@3926.54,2860 3945,2878.46 ; v1(3945,2790) 3945,2878.46 ; 21_2.2@3980,2913.46 3945,2878.46 ; 12.2@4459.04,2910.96 4545,2825 Designator19.1@4545,2783.46 v1(4545,2758.46) ; Designator10_1.2@4754.49,2860 4775.17,2860 4785.17,2850 4785.17,2791.85 v1(4783.32,2790)
  Top Layer w15: v2(3464.41,2370.12) _1_5.1@3464.41,2414.22 ; 26.2@4330.35,2306.72 _1_3.1@4400,2376.37
  Top Layer w15.75: v1(4395,2185) Designator12.2@4404.49,2185 v1(4415,2185)
  Top Layer w20: v2(3608.82,2613.69) 3677.51,2545 v2(3705,2545)
  Top Layer w39.37: 47.8@4515,2105 4570,2105 4625,2160 47.9@4625,2180 47.9@4625,2195.37
  Top Layer w59.06: v2(4625,2210) 4625,2282.48 4712.5,2369.98 v2(4712.5,2375)
  Bottom Layer w7.87: 23.2@4376.93,2200 4389.49,2200 4395,2194.49 v1(4395,2185)
  other v1: 2590,2111.75 2693.47,2111.75 3045,2155 2719.05,2194.67 2735,2211.92 3395,2373.73 3526.27,2373.73 2092.5,2546.09 2170,2755 2624.57,2780 3549.57,2780 4457.2,2780
  other v2: 4595,2150 4625,2150 4655,2150 4595,2180 4655,2180 4595,2210 4655,2210 3968,2539.2
H1: _1.2@2460,2535 Designator4.41 | length 959.5
  Top Layer w6: _1.2@2460,2562.03 2488.76,2590.79 2681.41,2590.79 2806.78,2716.16 3101.55,2716.16 3160,2657.71 v1(3160,2640) ; Designator4.41@3161.79,2530.71 3201.08,2570 v1(3205,2570)
  Bottom Layer w6: v1(3160,2640) 3169.68,2640 3205,2604.68 v1(3205,2570)
H2: _1_1.2@3385,2535 Designator4.42 | length 352.5
  Top Layer w6: Designator4.42@3147.87,2544.63 3194.19,2590.95 3227.67,2590.95 3310.84,2507.78 3310.84,2499.16 3334.06,2475.94 3358.53,2475.94 3385,2502.41 _1_1.2@3385,2535
H3: _1_1_1.2@4229.41,2535 Designator4.43 | length 1250.2
  Top Layer w6: Designator4.43@3133.96,2558.63 3160,2584.6 v1(3160,2590) ; v1(3460,2480) 3474.43,2465.57 4220.57,2465.57 4230,2475 4230,2534.41 _1_1_1.2@4229.41,2535
  Bottom Layer w6: v1@3161.1,2586.39 3161.1,2553.62 3241.56,2473.16 3453.16,2473.16 v1(3460,2480)
ha1: 3_7.2 37.2 Designator18.5 | length 411
  Bottom Layer w9: 3_7.2@3693.46,2264.18 3728.31,2264.18 3745.55,2281.42 3937.61,2281.42 37.2@3970.56,2248.46 ; Designator18.5@3905.65,2390 Designator18.5@3914.96,2390 Designator18.5@3914.96,2390 3915,2286.19
ha2: 3_6.2 38.2 Designator18.4 | length 269.9
  Top Layer w10: Designator18.4@3836.22,2390 3905,2321.22 v1(3905,2248.46)
  Bottom Layer w9: 3_6.2@3778.46,2314 3778.46,2319 3836.22,2376.76 Designator18.4@3836.22,2390
ha3: 3_5.1 39.2 Designator18.3 | length 511.3
  Top Layer w10: Designator18.3@3757.48,2390 3840,2307.48 v1(3840,2248.46)
  Bottom Layer w6: 3_5.1@3460.56,2325 3475.25,2310.31 3487.47,2310.31 3523.75,2346.59 3712.53,2346.59 3732.1,2366.16
  Bottom Layer w9: 3732.1,2366.16 Designator18.3@3756.71,2390.77